# Allegro board HY_SW3518S_V10.brd
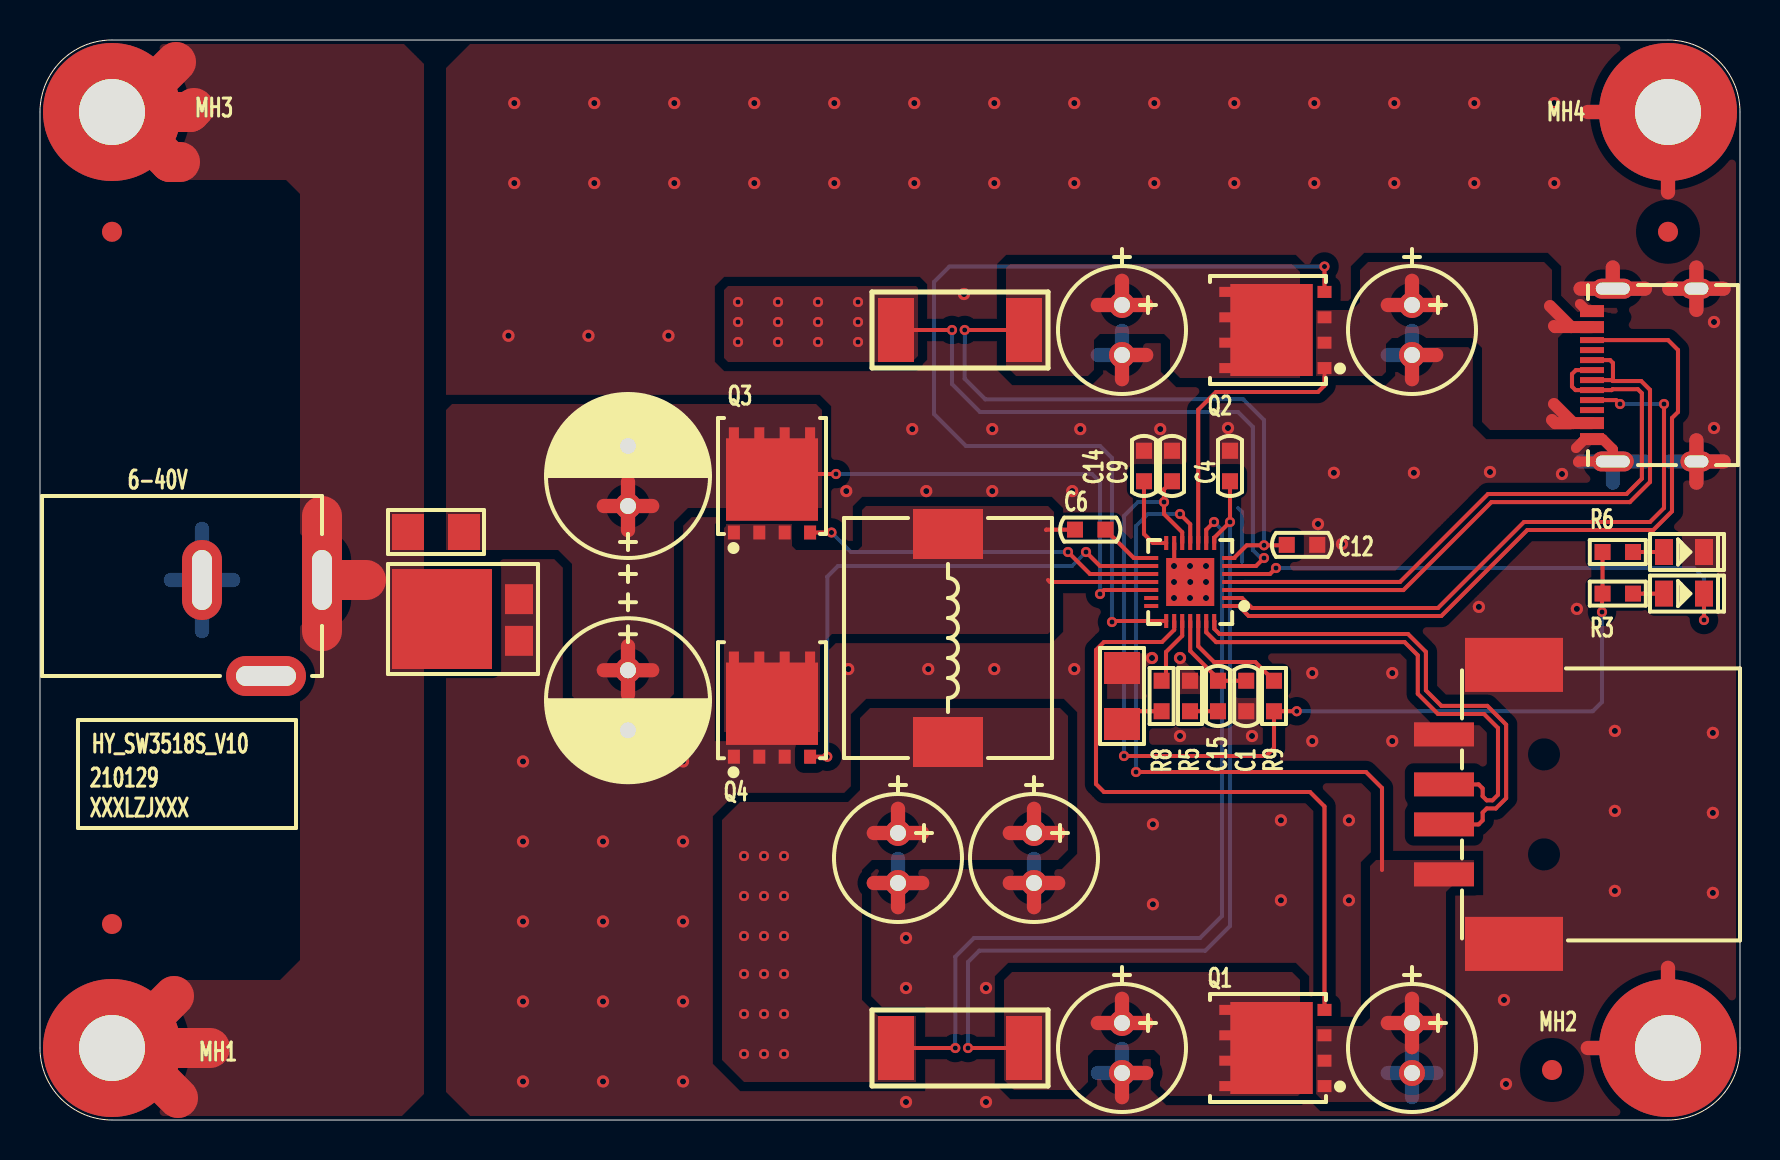
[diagram p0: board, top side]
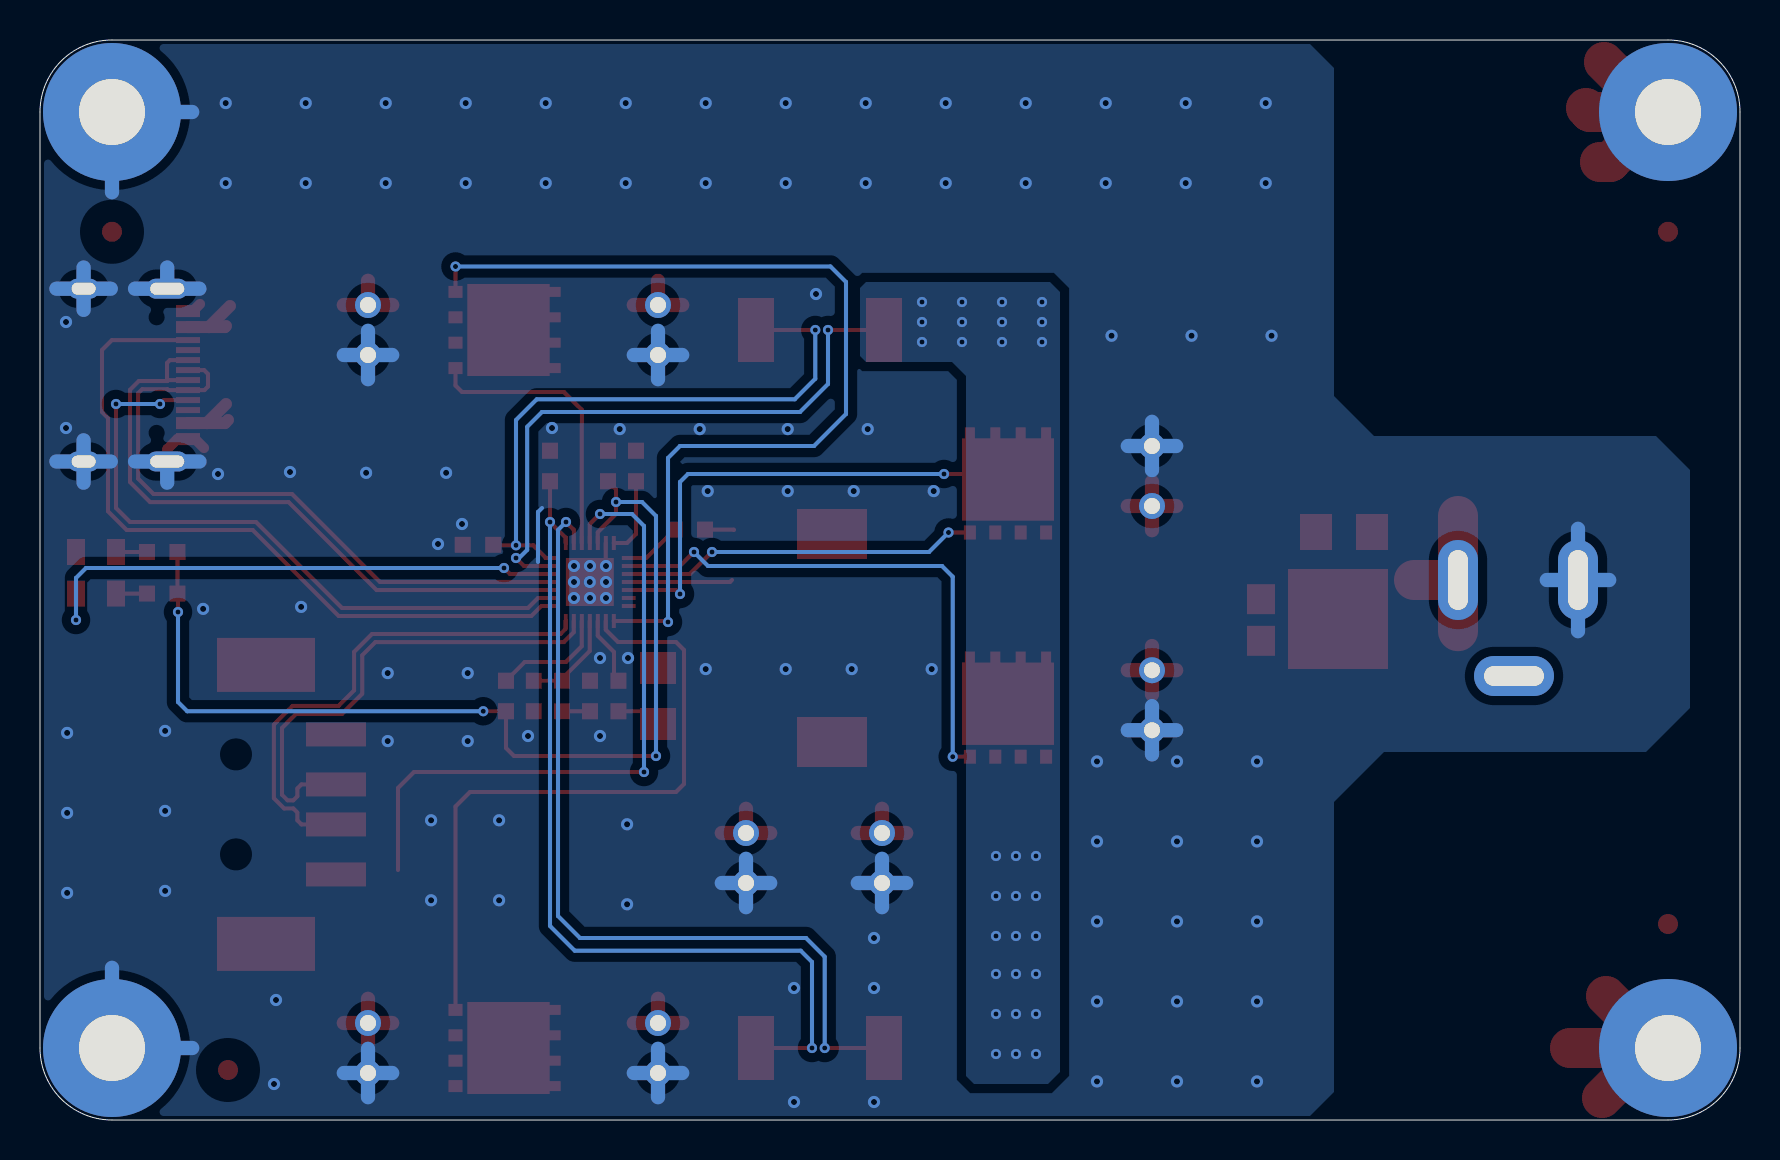
[diagram p1: board, bottom side, seen from below]

Outline 85 x 54 mm; copper layers: TOP, BOTTOM. Coordinates in mm from the lower left corner of the outline.
Outline path: 0,50.4 arc(1.05,52.95) 3.6,54 81.4,54 arc(83.95,52.95) 85,50.4 85,3.6 arc(83.95,1.05) 81.4,0 3.6,0 arc(1.05,1.05) 0,3.6 0,50.4

## Design rules (mm)
constraint set DEFAULT: min track width 0.203, pair gap 0.203
net group DP1: nets DMC DPC
net group DP2: nets DMA DPA

## Placement (name value [footprint] x y rotation side)
C1  100pF_50V  [C0603]  60.31 21.2 90 top
C2  100uF_50V  [CAP-3R0-8X12]  29.4 32.2 90 top
C3  100uF_25V  [CAP-2R5-6R3X7]  54.1 3.6 270 top
C4  100nF_50V  [C0603]  59.5 32.7 90 top
C5  100uF_25V  [CAP-2R5-6R3X7]  68.6 3.6 270 top
C6  100nF_50V  [C0603]  52.51 29.52 180 top
C7  100uF_25V  [CAP-2R5-6R3X7]  42.9 13.1 270 top
C8  100uF_25V  [CAP-2R5-6R3X7]  49.7 13.1 270 top
C9  1uF_25V  [C0603]  56.6 32.7 270 top
C10  100uF_50V  [CAP-3R0-8X12]  29.4 20.99 270 top
C11  100uF_25V  [CAP-2R5-6R3X7]  54.1 39.5 270 top
C12  100nF_50V  [C0603]  63.1 28.76 0 top
C13  100uF_25V  [CAP-2R5-6R3X7]  68.6 39.5 270 top
C14  1uF_25V  [C0603]  55.2 32.7 270 top
C15  2.2nF_50V  [C0603]  58.9 21.2 90 top
D1  LED_GREEN  [LED0805]  82.2 26.32 0 top
D2  V10P10  [TO-277A]  22.6 25 90 top
D3  LED_GREEN  [LED0805]  82.2 28.4 0 top
DC1  -  [DC005]  8.1 27 0 top
F1  0469005.WR  [FUSE1206]  19.8 29.4 0 top
L1  SMMS1040-220M  [L10040]  45.4 24.1 270 top
MH1  Hold-M3/NI  [HOLD6R90X3R40]  3.6 3.6 0 top
MH2  Hold-M3/NI  [HOLD6R90X3R40]  81.4 3.6 0 top
MH3  Hold-M3/NI  [HOLD6R90X3R40]  3.6 50.4 0 top
MH4  Hold-M3/NI  [HOLD6R90X3R40]  81.4 50.4 0 top
MP1  MarkPoint/NI  [MARKPOINT_R3]  3.6 9.8 0 top
MP2  MarkPoint/NI  [MARKPOINT_R3]  75.6 2.5 0 top
MP3  MarkPoint/NI  [MARKPOINT_R3]  81.4 44.41 0 top
MP4  MarkPoint/NI  [MARKPOINT_R3]  3.6 44.41 0 top
NOREF  -  []  0 0 0 top
NOREF#2  -  []  3.6 3.6 90 top
NOREF#3  -  []  3.6 3.6 0 top
NOREF#4  -  []  0 0 90 top
Q1  WSD30140DN  [DFN5X6]  61.4 3.6 90 top
Q2  WSD30140DN  [DFN5X6]  61.4 39.5 90 top
Q3  WSD30140DN  [DFN5X6]  36.6 32.2 0 top
Q4  WSD30140DN  [DFN5X6]  36.6 20.99 0 top
R1  0R005  [R2512]  46 3.6 180 top
R3  4.7K  [R0603]  78.89 26.32 0 top
R4  0R005  [R2512]  46 39.5 180 top
R5  20K  [R0603]  57.5 21.2 90 top
R6  4.7K  [R0603]  78.89 28.4 0 top
R7  103AT  [R1206]  54.1 21.2 90 top
R8  2K  [R0603]  56.08 21.2 270 top
R9  4.7K  [R0603]  61.7 21.2 90 top
U1  SW3518S  [QFN28-4X4X0R4-2R4X2R4]  57.51 26.9 90 top
USB1  USB-A  [USB-A-SMD]  71.1 15.78 0 top
USB2  -  [TYPE-C-31-M-12]  77.6 37.25 90 top

## Library data of the parts
C1 C4 C6 C9 C12 C14 C15 = CAP NP_2
C2 C3 C5 C7 C8 C10 C11 C13 = CAPT_100UF_3528_6r3V_10%_LXXXX
D1 D3 = LED_2
D2 = DIODE13_6
DC1 = DC005
F1 = FUSE
L1 = IND_BEAD_0805_600OHM_1
MH1-MH4 = Hold_1
MP1-MP4 = MarkPoint_0
Q1-Q4 = SI4497DY-T1-GE3_2
R1 R3-R9 = R_Generic
U1 = SW3518S_1
USB1 = USB-A
USB2 = TYPE-C_16P

## Footprints (pads in the part's own frame, mm; a bottom-side part is the same pattern mirrored in y, then rotated)
C0603
  rect 0.8x0.8 smd: 1(-0.762,0) 2(0.762,0)
CAP-2R5-6R3X7
  round 1.3 hole 0.8: 1(-1.25,0) 2(1.25,0)
CAP-3R0-8X12
  round 1.3 hole 0.8: 1(-1.5,0) 2(1.5,0)
DC005
  oval 2x4 hole 1x3: 1(6,0) 2(0,0)
  oval 4x2 hole 3x1: 3(3.2,-4.8)
DFN5X6
  rect 0.6x0.7 smd: 1(-1.905,-2.825) 2(-0.635,-2.825) 3(0.635,-2.825) 4(1.905,-2.825)
  custom 4.6x4.67 smd: 5(0,0.1)
FUSE1206
  rect 1.6x1.8 smd: 1(-1.4,0) 2(1.4,0)
HOLD6R90X3R40
  round 6.9 hole 3.3: 1(0,0)
L10040
  rect 2.5x3.5 smd: 1(-5.2,0) 2(5.2,0)
LED0805
  rect 0.9x1.3 smd: 1(-1,0) 2(1,0)
MARKPOINT_R3
  round 1 smd: 1(0,0)
QFN28-4X4X0R4-2R4X2R4
  rect 0.2x0.7 smd: 1(-1.2,-1.95) 2(-0.8,-1.95) 3(-0.4,-1.95) 4(0,-1.95) 5(0.4,-1.95) 6(0.8,-1.95) 7(1.2,-1.95) 15(1.2,1.95) 16(0.8,1.95) 17(0.4,1.95) 18(0,1.95) 19(-0.4,1.95) 20(-0.8,1.95) 21(-1.2,1.95)
  rect 0.7x0.2 smd: 8(1.95,-1.2) 9(1.95,-0.8) 10(1.95,-0.4) 11(1.95,0) 12(1.95,0.4) 13(1.95,0.8) 14(1.95,1.2) 22(-1.95,1.2) 23(-1.95,0.8) 24(-1.95,0.4) 25(-1.95,0) 26(-1.95,-0.4) 27(-1.95,-0.8) 28(-1.95,-1.2)
  rect 2.4x2.4 smd: 29(0,0)
R0603
  rect 0.8x0.8 smd: 1(-0.762,0) 2(0.762,0)
R1206
  rect 1.6x1.8 smd: 1(-1.4,0) 2(1.4,0)
R2512
  rect 1.8x3.2 smd: 1(-3.2,0) 2(3.2,0)
TO-277A
  rect 1.5x1.4 smd: 1(-1.04,-1.35) 2(1.04,-1.35)
  rect 5x5 smd: 3(0.05,2.5)
TYPE-C-31-M-12
  rect 0.6x1.2 smd: 1(-3.2,0) 2(-2.4,0) 11(2.4,0) 12(3.2,0)
  rect 0.3x1.2 smd: 3(-1.75,0) 4(-1.25,0) 5(-0.75,0) 6(-0.25,0) 7(0.25,0) 8(0.75,0) 9(1.25,0) 10(1.75,0)
  oval 1x2.1 hole 0.6x1.7: 13(-4.32,-1.04) 14(4.32,-1.04)
  oval 1x1.6 hole 0.6x1.2: 15(-4.32,-5.22) 16(4.32,-5.22)
USB-A-SMD
  rect 3x1.2 smd: 1(-0.9,-3.5) 2(-0.9,-1) 3(-0.9,1) 4(-0.9,3.5)
  rect 4.9x2.7 smd: 5(2.6,-6.975) 6(2.6,6.975)

## Nets
GND: C1.1 C2.2 C3.2 C4.2 C5.2 C7.2 C8.2 C9.1 C10.2 C11.2 C12.2 C13.2 C14.1 D2.1 D2.2 D3.2(CATHODE) DC1.2 MH2.1 MH4.1 Q4.1 Q4.2 Q4.3(S3) R5.2 R7.2 U1.13 U1.29 USB1.4 USB1.5 USB1.6 USB2.1 USB2.12 USB2.13 USB2.14 USB2.15 USB2.16
VCC_VIN: D2.3(CATHODE) DC1.1 F1.1 MH1.1 MH3.1
VDD: C9.2 R3.1 R6.1 R9.1 U1.12
VIN: C2.1 C10.1 F1.2 Q3.5 U1.19(VIN)
CC1: U1.2 USB2.4
CC2: U1.1 USB2.10
CSNA: C3.1 C4.1 Q1.5 R1.1 U1.8
CSNC: C11.1 C12.1 Q2.5 R4.1 U1.7
DMA: U1.28 USB1.2
DMC: U1.4 USB2.5 USB2.7
DPA: U1.27 USB1.3
DPC: U1.3 USB2.6 USB2.8
GATEA: Q1.4 U1.23
GATEC: Q2.4 U1.22
HGATE: Q3.4 U1.17
IDA: R9.2 U1.26
LGATE: Q4.4 U1.16
VOUT: C7.1 C8.1 L1.2(B) R1.2 R4.2 U1.6 U1.9
VOUT1: C5.1 Q1.1 Q1.2 Q1.3(S3) U1.11 USB1.1(VBUS)
VOUT2: C13.1 Q2.1 Q2.2 Q2.3(S3) U1.10 USB2.2 USB2.11(VBUS2)
N17558621: D1.1 R3.2
N17558623: D1.2(CATHODE) U1.5
N17567967: C14.2 U1.14
N17568286: C6.1 U1.15
N17568309: C6.2 L1.1 Q3.1 Q3.2 Q3.3(S3) Q4.5 U1.18
N17570446: C1.2 C15.2 U1.25
N17571182: D3.1 R6.2
N17571361: R8.1 U1.24
N17571370: R7.1 R8.2
N175703550: C15.1 R5.1

Pads without a net: DC1 3; MP1 1; MP2 1; MP3 1; MP4 1; U1 20 21; USB2 3 9

## Via types
v1: diameter 0.508, hole 0.254, TOP to BOTTOM, 56 vias
v2: diameter 0.61, hole 0.305, TOP to BOTTOM, 106 vias

## Routing (per net, layer and track width the routed paths; a pad name or vN(x,y) marks a point on that pad's centre or on a via; arc(x,y) is an arc through that point)
GND: length 137.2
  TOP w0.203: v2(56.7,27.7) 56.71,27.71 U1.13
  TOP w0.508: USB2.12 77.35,40.45 77,40.8 ; 76.9,32.9 76.93,32.93 USB2.13 78.64,33.54 78.13,34.05 USB2.1 77.25,34.05 76.8,33.6
  TOP w0.711: 54.1,37.04 C11.2 55.31,38.25 ; 49.7,10.64 C8.2 ; C8.2 48.49,11.85 ; C8.2 50.91,11.85 ; USB2.15 82.82,33.98 ; USB2.15 84.18,32.93 ; USB2.15 82.82,31.87 ; 82.82,40.51 USB2.16 ; USB2.16 81.46,41.57 ; USB2.16 84.18,41.57 ; USB2.16 82.82,42.62 ; 69.81,38.25 C13.2 68.6,37.04 ; 77.03,41.57 USB2.14 ; USB2.14 78.64,42.62 ; USB2.14 80.25,41.57 ; 42.9,10.64 C7.2 ; C7.2 44.11,11.85 ; C7.2 41.69,11.85 ; C10.2 30.61,19.49 ; C10.2 29.4,18.28 ; C10.2 28.19,19.49 ; 81.4,7.61 MH2.1 77.39,3.6 ; 55.31,2.35 C3.2 54.1,1.14 ; 77.39,50.4 MH4.1 81.4,46.39
  BOTTOM w0.203: 60.1,27.9 60.1,30.4 59.9,30.6
  BOTTOM w0.711: USB2.16 84.18,41.57 ; USB2.16 82.82,42.62 ; USB2.16 81.46,41.57 ; USB2.16 82.82,40.51 ; USB2.14 80.25,41.57 ; USB2.14 78.64,42.62 ; USB2.14 77.03,41.57 ; 78.64,31.87 USB2.13 ; USB2.13 80.25,32.93 ; USB2.13 77.03,32.93 ; 81.4,7.61 MH2.1 77.39,3.6 ; DC1.2 8.1,29.56 ; DC1.2 9.66,27 ; DC1.2 8.1,24.44 ; DC1.2 6.54,27 ; C2.2 30.61,33.7 ; C2.2 29.4,32.49 ; C2.2 29.4,34.91 ; C2.2 28.19,33.7 ; 81.4,46.39 MH4.1 77.39,50.4 ; 68.6,37.04 C13.2 ; C13.2 67.39,38.25 ; C13.2 68.6,39.46 ; C13.2 69.81,38.25 ; C11.2 54.1,39.46 ; C11.2 54.1,37.04 ; C11.2 55.31,38.25 ; C11.2 52.89,38.25 ; USB2.15 84.18,32.93 ; USB2.15 82.82,31.87 ; USB2.15 82.82,33.98 ; USB2.15 81.46,32.93 ; C8.2 50.91,11.85 ; C8.2 49.7,13.06 ; C8.2 49.7,10.64 ; C8.2 48.49,11.85 ; C7.2 42.9,13.06 ; C7.2 42.9,10.64 ; C7.2 44.11,11.85 ; C7.2 41.69,11.85 ; 67.39,2.35 C5.2 ; C5.2 68.6,3.56 ; C5.2 68.6,1.14 ; C5.2 69.81,2.35 ; 54.1,1.14 C3.2 ; C3.2 55.31,2.35 ; C3.2 54.1,3.56 ; C3.2 52.89,2.35 ; C10.2 29.4,20.7 ; C10.2 28.19,19.49 ; C10.2 30.61,19.49 ; C10.2 29.4,18.28
  vias: v2(23.42,39.21) v2(23.71,50.85) v2(23.71,46.85) v2(24.15,17.93) v2(24.15,13.93) v2(24.15,9.93) v2(24.15,5.93) v2(24.15,1.93) v2(27.42,39.21) v2(27.71,50.85) v2(27.71,46.85) v2(28.15,17.93) v2(28.15,13.93) v2(28.15,9.93) v2(28.15,5.93) v2(28.15,1.93) v2(31.42,39.21) v2(31.71,50.85) v2(31.71,46.85) v2(32.15,17.93) v2(32.15,13.93) v2(32.15,9.93) v2(32.15,5.93) v2(32.15,1.93) v2(35.71,50.85) v2(35.71,46.85) v2(39.71,50.85) v2(39.71,46.85) v2(40.31,31.45) v2(40.41,22.55) v2(43.3,9.1) v2(43.3,6.6) v2(43.3,0.9) v2(43.61,34.55) v2(43.71,50.85) v2(43.71,46.85) v2(44.31,31.45) v2(44.41,22.55) v2(46.2,41.3) v2(47.3,6.6) v2(47.3,0.9) v2(47.61,34.55) v2(47.61,31.45) v2(47.71,50.85) v2(47.71,46.85) v2(47.71,22.55) v2(51.61,31.45) v2(51.71,50.85) v2(51.71,46.85) v2(51.71,22.55) v2(52.01,34.55) v2(55.6,23.1) v2(55.65,14.79) v2(55.65,10.79) v2(55.71,50.85) v2(55.71,46.85) v2(56.01,34.55) v2(56.7,26.9) v2(56.7,26.1) v2(57,23.1) v2(57,19.2) v2(57.5,27.7) v2(57.51,26.9) v2(57.5,26.1) v2(58.3,27.7) v2(58.3,26.9) v2(58.3,26.1) v2(59.4,34.6) v2(59.71,50.85) v2(59.71,46.85) v2(60.6,19.2) v2(62.05,14.99) v2(62.05,10.99) v2(63.61,22.35) v2(63.61,18.95) v2(63.71,50.85) v2(63.71,46.85) v2(63.9,29.8) v2(64.69,32.36) v2(65.1,28.8) v2(65.45,14.99) v2(65.45,10.99) v2(67.61,22.35) v2(67.61,18.95) v2(67.71,50.85) v2(67.71,46.85) v2(68.69,32.36) v2(71.71,50.85) v2(71.71,46.85) v2(71.94,25.66) v2(72.5,32.4) v2(73.2,6) v2(73.3,1.8) v2(75.71,50.85) v2(75.71,46.85) v2(76.1,32.3) v2(76.84,25.56) v2(78.74,19.46) v2(78.74,15.46) v2(78.74,11.46) v2(83.64,19.36) v2(83.64,15.36) v2(83.64,11.36) v2(83.7,39.9) v2(83.7,34.6)
VCC_VIN: length 33.7
  TOP w0.203: D2.3 18.45,25.05 18.3,24.9
  TOP w2: 7.7,50.6 7.5,50.4 4.3,50.4 ; DC1.1 14.1,24.44 ; DC1.1 14.1,30.2 ; DC1.1 16.3,27 ; 4,50.4 6.5,47.9 7,47.9 ; 4,50.4 MH3.1 ; 4,50.4 4.3,50.4 ; 4.4,3.6 8.5,3.6 ; 4.4,3.6 4.1,3.6 ; 4.4,3.6 6.9,1.1 ; 4.3,50.4 6.8,52.9 ; 4.1,3.6 6.7,6.2 ; 4.1,3.6 MH1.1
VDD: length 51.5
  TOP w0.203: v1(78.1,25.4) 78.1,26.29 R3.1 R6.1 ; v1(62.84,20.44) R9.1 61.7,18.6 61.3,18.2 v1(54.2,18.2) ; U1.12 57.11,29.39 56.2,30.3 v1(56.2,30.9) 56.2,31.54 C9.2
  BOTTOM w0.203: v1(56.2,30.9) 54.9,30.9 54.2,30.2 v1(54.2,18.2) ; v1(62.84,20.44) 77.64,20.44 78.1,20.9 v1(78.1,25.4)
VIN: length 34.5
  TOP w0.203: U1.19 53.2,26.5 v1(53,26.3) ; Q3.5 v1(39.8,32.3)
  TOP w0.711: 29.4,29.49 C2.1 ; C2.1 29.4,31.91 ; C2.1 30.61,30.7 ; C2.1 28.19,30.7 ; C10.1 29.4,23.7 ; C10.1 30.61,22.49 ; C10.1 28.19,22.49 ; C10.1 29.4,21.28
  BOTTOM w0.203: v1(53,26.3) 53,31.9 52.6,32.3 v1(39.8,32.3)
CC1: length 32.9
  TOP w0.203: USB2.4 78.8,36 v1(79,35.8) ; 59.46,26.1 60.1,26.1 60.6,25.6 69.9,25.6 74.2,29.9 80.5,29.9 81.2,30.6 v1(81.2,35.8)
  BOTTOM w0.203: v1(79,35.8) v1(81.2,35.8)
CC2: length 37.2
  TOP w0.203: 59.46,25.7 59.93,25.7 60.43,25.2 70.07,25.2 74.37,29.5 80.67,29.5 81.6,30.43 81.6,35.1 81.9,35.4 81.9,38.5 81.4,39 USB2.10
CSNA: length 48.2
  TOP w0.203: U1.8 58.71,29.11 v1(59.5,29.9) C4.1 ; R1.1 v1(46.4,3.6)
  TOP w0.711: C3.1 55.31,4.85 ; C3.1 52.89,4.85 ; C3.1 54.1,6.06
  BOTTOM w0.203: v1(46.4,3.6) 46.4,7.9 46.96,8.46 58.26,8.46 59.5,9.7 v1(59.5,29.9)
CSNC: length 34.3
  TOP w0.203: R4.1 v1(46.23,39.5) ; 59.46,28.1 59.7,28.1 60.34,28.73 v1(61.2,28.73) 62.32,28.73 C12.1
  TOP w0.711: C11.1 55.31,40.75 ; C11.1 52.89,40.75 ; C11.1 54.1,41.96
  BOTTOM w0.203: v1(61.2,28.73) 61.2,35 60.16,36.03 47.26,36.03 46.23,37.06 v1(46.23,39.5)
DMA: length 25.7
  TOP w0.203: USB1.2 71.93,14.78 72.13,14.98 72.13,15.37 72.33,15.58 72.79,15.58 73.31,16.09 73.31,19.77 72.37,20.71 70.07,20.71 69.3,21.48 69.3,23.4 68.4,24.3 58.97,24.3 58.72,24.56 58.72,24.94 U1.28
DMC: length 32.4
  TOP w0.203: USB2.7 76.8,37.5 76.6,37.3 76.6,36.67 76.78,36.5 USB2.5 78.58,36.5 78.63,36.54 79.89,36.54 80.09,36.34 80.09,32.07 79.33,31.3 72.4,31.3 68,26.9 60.24,26.9 60.24,26.9 59.46,26.9
DPA: length 25
  TOP w0.203: USB1.3 71.93,16.78 72.13,16.58 72.13,16.19 72.33,15.98 72.62,15.98 72.9,16.26 72.9,19.6 72.2,20.3 69.9,20.3 68.89,21.31 68.89,23.24 68.23,23.89 58.81,23.89 58.31,24.39 U1.27
DPC: length 33
  TOP w0.203: 59.46,26.5 60.24,26.5 60.24,26.5 68.17,26.5 72.57,30.89 79.49,30.89 80.5,31.9 80.5,36.51 80.06,36.95 78.63,36.95 78.58,37 ; 78.58,37 USB2.6 ; 78.58,37 78.65,37.06 78.65,37.85 78.5,38 USB2.8
GATEA: length 33.5
  TOP w0.203: U1.23 56.71,24.51 56.1,23.9 53.2,23.9 52.8,23.5 52.8,16.8 53.2,16.4 63.5,16.4 64.22,15.68 Q1.4
GATEC: length 48.5
  TOP w0.203: U1.22 53.65,24.95 v1(53.6,24.9) ; Q2.4 v1(64.22,42.67)
  BOTTOM w0.203: v1(64.22,42.67) 45.48,42.67 44.7,41.9 44.7,35.3 46.3,33.7 53,33.7 53.6,33.1 v1(53.6,24.9)
HGATE: length 17.9
  TOP w0.203: U1.17 52.5,27.3 v1(51.4,28.4) ; Q3.4 v1(39.58,29.38)
  BOTTOM w0.203: v1(51.4,28.4) 40.55,28.4 v1(39.58,29.38)
IDA: length 5.8
  TOP w0.203: R9.2 60.76,22.9 58.7,22.9 57.91,23.69 U1.26
LGATE: length 26.9
  TOP w0.203: v1(52.3,28.4) 53,27.7 U1.16 ; Q4.4 v1(39.36,18.16)
  BOTTOM w0.203: v1(52.3,28.4) 51.6,27.7 39.9,27.7 39.36,27.16 v1(39.36,18.16)
VOUT: length 80.3
  TOP w0.203: U1.9 58.31,29.51 v1(58.7,29.9) ; R4.2 v1(45.6,39.5) ; 59.46,27.7 60.8,27.7 v1(61.2,28.1) ; R1.2 v1(45.77,3.6)
  TOP w0.711: C7.1 42.9,15.56 ; C7.1 44.11,14.35 ; C7.1 41.69,14.35 ; C8.1 49.7,15.56 ; C8.1 48.49,14.35 ; C8.1 50.91,14.35
  BOTTOM w0.203: v1(58.7,29.9) 59.1,29.5 59.1,10.2 58,9.1 46.7,9.1 45.77,8.16 v1(45.77,3.6) ; v1(61.2,28.1) 61.04,28.1 60.64,28.5 60.64,34.66 59.9,35.4 47,35.4 45.6,36.8 v1(45.6,39.5)
  vias: v1(34.9,40.9) v1(34.9,39.9) v1(34.9,38.9) v1(35.2,13.2) v1(35.2,11.2) v1(35.2,9.2) v1(35.2,7.3) v1(35.2,5.3) v1(35.2,3.3) v1(36.2,13.2) v1(36.2,11.2) v1(36.2,9.2) v1(36.2,7.3) v1(36.2,5.3) v1(36.2,3.3) v1(36.9,40.9) v1(36.9,39.9) v1(36.9,38.9) v1(37.2,13.2) v1(37.2,11.2) v1(37.2,9.2) v1(37.2,7.3) v1(37.2,5.3) v1(37.2,3.3) v1(38.9,40.9) v1(38.9,39.9) v1(38.9,38.9) v1(40.9,40.9) v1(40.9,39.9) v1(40.9,38.9)
VOUT1: length 38
  TOP w0.203: U1.11 57.51,29.79 v1(57,30.3) ; 67.1,12.5 67.1,16.6 66.3,17.4 v1(54.8,17.4)
  TOP w0.711: C5.1 69.81,4.85 ; C5.1 68.6,6.06 ; C5.1 67.39,4.85 ; C5.1 68.6,3.64
  BOTTOM w0.203: v1(57,30.3) 55.4,30.3 54.8,29.7 v1(54.8,17.4)
VOUT2: length 24.8
  TOP w0.203: Q2.1 64.22,36.73 63.9,36.4 58.8,36.4 57.91,35.51 U1.10
  TOP w0.6: 75.7,35.8 76.65,34.85 ; 76.65,34.85 USB2.2 ; 76.65,34.85 75.75,34.85 75.6,35 ; 76.55,39.65 75.75,39.65 75.7,39.7 ; 76.55,39.65 USB2.11 ; 76.55,39.65 75.5,40.7
  TOP w0.711: 67.39,40.75 C13.1 ; C13.1 69.81,40.75 ; C13.1 68.6,41.96
N17558621: length 1.5
  TOP w0.203: R3.2 D1.1
N17558623: length 27.5
  TOP w0.203: 59.46,27.3 61.5,27.3 v1(61.8,27.6) ; v1(83.2,25) D1.2
  BOTTOM w0.203: v1(83.2,25) 83.2,27.1 82.7,27.6 v1(61.8,27.6)
N17567967: length 3.9
  TOP w0.203: C14.2 55.2,29.3 55.65,28.85 U1.14
N17568286: length 2.9
  TOP w0.203: C6.1 54.69,28.1 U1.15
N17568309: length 6.7
  TOP w0.203: 50.3,29.5 50.32,29.52 C6.2 ; U1.18 50.5,26.9 50.4,27
N17570446: length 5
  TOP w0.203: U1.25 57.51,23.45 58.9,22.06 C15.2 C1.2
N17571182: length 1.5
  TOP w0.203: R6.2 D3.1
N17571361: length 3.4
  TOP w0.203: R8.1 56.3,22.18 56.3,23.4 57.11,24.21 U1.24
N17571370: length 2.2
  TOP w0.203: R8.2 54.74,20.44 R7.1
N175703550: length 1.4
  TOP w0.203: C15.1 R5.1

## Copper pours and planes (outline as drawn; the poured copper is in the pictures)
GND on TOP: 20.3,1.4 20.3,52.6 21.5,53.8 81.4,53.8 84.8,50.4 84.8,3.6 81.4,0.2 21.5,0.2 ; 5 cut-outs
GND on BOTTOM: 20.3,1.4 20.3,15.9 17.8,18.4 4.7,18.4 2.5,20.6 2.5,32.5 4.2,34.2 18.3,34.2 20.3,36.2 20.3,52.6 21.5,53.8 81.4,53.8 84.8,50.4 84.8,3.6 81.4,0.2 21.5,0.2
VCC_VIN on TOP: 3,53.8 18.2,53.8 19.2,52.8 19.2,1.3 18.1,0.2 3.6,0.2 0.2,3.6 0.2,3.9 3.3,7 12,7 13,8 13,46.3 12.3,47 3.3,47 0.4,49.9 0.4,51.2
VIN on TOP: 20.3,28.5 20.3,35.5 20.6,35.8 38.8,35.8 39.1,35.5 39.1,30.6 32.4,30.6 31.7,29.9 31.7,21.3 31.3,20.9 26.9,20.9 26.6,21.2 26.6,27.8 25.9,28.5
CSNA on TOP: 48.2,2 48.2,7 48.6,7.4 62.6,7.4 63,7 63,1.3 62.9,1.2 56.5,1.2 56,1.7 56,3.2 55.7,3.5 52.7,3.5 52.4,3.2 52.4,1.9 52,1.5 48.7,1.5
CSNC on TOP: 48.3,37.7 48.3,42.6 48.5,42.8 62.6,42.8 63,42.4 63,37.1 57,37.1 56.5,37.6 56.5,39 56.2,39.3 53,39.3 52.7,39 52.7,37.5 52.4,37.2 48.8,37.2
VOUT on TOP: 43.8,1.9 35.2,1.9 34.1,3 34.1,15 35,15.9 40.4,15.9 41,16.5 41,20.1 41.5,20.6 51,20.6 51.4,20.2 51.4,13.5 50.9,13 41.6,13 41.1,12.5 41.1,6 41.9,5.2 43.8,5.2
VOUT on TOP: 43.8,41.7 34.4,41.7 34.2,41.5 34.2,38.1 34.4,37.9 43.6,37.9 43.9,38.2 43.9,41.6
VOUT on BOTTOM: 43.7,41.9 34.5,41.9 34,41.4 34,2.4 34.6,1.8 38.3,1.8 38.7,2.2 38.7,37.2 39.4,37.9 43.7,37.9 44,38.2 44,41.6
VOUT1 on TOP: 63.8,4.7 66.1,4.7 66.5,5.1 66.5,12.7 66.8,13 71.7,13 71.7,11.7 70.6,11.7 70.3,11.4 70.3,1.5 69.7,0.9 64.2,0.9 63.8,1.3
VOUT2 on TOP: 63.8,40.5 65.6,40.5 66,40.9 66,42.5 66.4,42.9 75.2,42.9 75.6,42.5 75.6,40.3 76,39.9 78.2,39.9 78.2,39.4 76.2,39.4 75.9,39.1 75.9,35.4 76.2,35.1 78.2,35.1 78.2,34.5 72.5,34.5 72.1,34.9 72.1,38.6 71.6,39.1 67.6,39.1 67.3,38.8 67.3,37.4 67.1,37.2 63.8,37.2
N17568309 on TOP: 34.3,29.7 34.3,29.8 37.6,29.8 37.6,28.7 37.8,28.5 40.9,28.5 41.1,28.7 41.1,30.5 41.3,30.7 50.4,30.7 50.7,30.4 50.7,24.6 50.4,24.3 39.6,24.3 39,23.7 39,19.4 34.2,19.4 34.2,29.6

## Text on the board
Ref Des/Silkscreen Top: 210129 | XXXLZJXXX | HY_SW3518S_V10 | 6-40V
DISPLAY_TOP: FIGURE | FINISHED_SIZE | 0.254 | 0.3048 | 0.8 | 3.3 | 1.2x0.6 | 1.7x0.6 | 3.0x1.0 | DRILL CHART: TOP to BOTTOM | ALL UNITS ARE IN MILLIMETERS | ROTATION | - | 0.000 | 90.000 | PLATED | QTY | 56 | 106 | 16 | 4 | 2 | 1 | 189 | TOTAL HOLES:
